# Altium PCB BSPD_mod_0513.PcbDoc (continued)
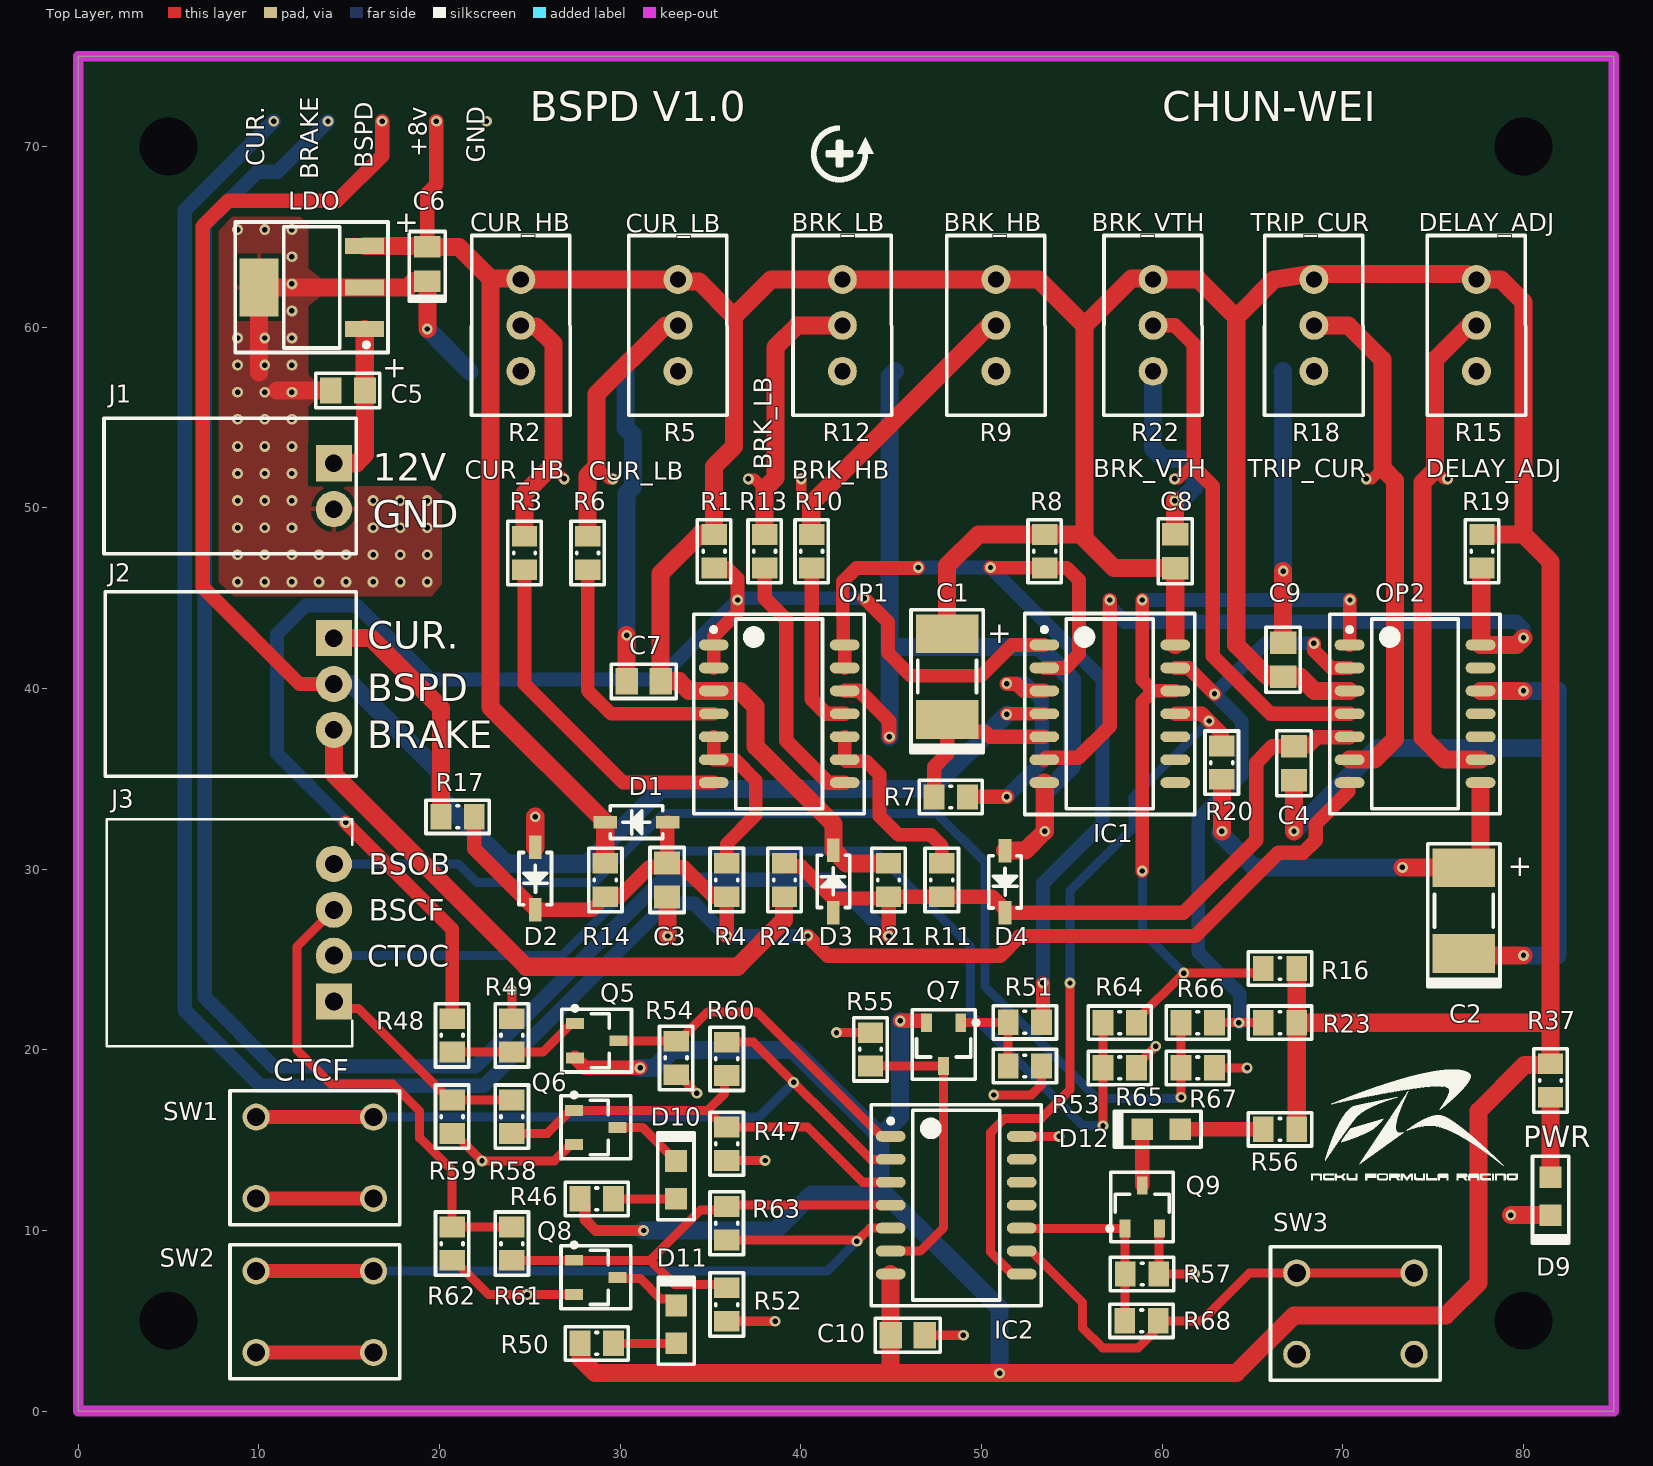
[diagram p0: Top Layer view]
## Part data (continued)
R37: library part 470-CRCW0805470RFKEAC, "Res Thick Film 0805 470 Ohm 1% 1/8W ±100ppm/°C Molded SMD Paper T/R", Case/Package=0805, Manufacturer=Vishay, Manufacturer Part Number=CRCW0805470RFKEAC, Power Rating=125mW, Supplier Part Number 1=71-CRCW0805470RFKEAC, Tolerance=1%, ComponentLink1Description=http://www.vishay.com/docs/28773/crcwce3.pdf?src-supplier=Digi-Key, ComponentLink1URL=http://www.vishay.com/docs/28773/crcwce3.pdf?src-supplier=Digi-Key, Lead Free="Lead Free", Pricing 1="1 = 0.10000, 10 = 0.05900, 100 = 0.02400, 1000 = 0.01000, 5000 = 0.00700, 10000 = 0.00600 (USD)", Resistance=470R, Stock 1=31729, Supplier 1=Mouser
R46: library part "0805 47KΩ (4702) 1%", "?片?阻", Case/Package=0805, Manufacturer=Vishay, Manufacturer Part Number=CRCW0805470RFKEAC, Power Rating=125mW, Supplier Part Number 1=71-CRCW0805470RFKEAC, Tolerance=1%, ComponentLink1Description=http://www.vishay.com/docs/28773/crcwce3.pdf?src-supplier=Digi-Key, ComponentLink1URL=http://www.vishay.com/docs/28773/crcwce3.pdf?src-supplier=Digi-Key, Lead Free="Lead Free", Pricing 1="1 = 0.10000, 10 = 0.05900, 100 = 0.02400, 1000 = 0.01000, 5000 = 0.00700, 10000 = 0.00600 (USD)", Resistance=470R, Stock 1=31729, Supplier 1=Mouser
R47: library part "0805 47KΩ (4702) 1%", "?片?阻", Case/Package=0805, Manufacturer=Vishay, Manufacturer Part Number=CRCW080510K0FKEAC, Power Rating=125mW, Resistance=10000R, Supplier Part Number 1=71-CRCW080510K0FKEAC, Tolerance=1%, ComponentLink1Description=http://www.vishay.com/docs/28773/crcwce3.pdf?src-supplier=Digi-Key, ComponentLink1URL=http://www.vishay.com/docs/28773/crcwce3.pdf?src-supplier=Digi-Key, ComponentLink2Description=http://datasheet.octopart.com/CRCW080510K0FKEAC-Vishay-datasheet-100063072.pdf?src-supplier=Future+Electronics, ComponentLink2URL=http://datasheet.octopart.com/CRCW080510K0FKEAC-Vishay-datasheet-100063072.pdf?src-supplier=Future+Electronics, Lead Free="Lead Free", Pricing 1="1 = 0.10000, 10 = 0.05900, 100 = 0.02400, 1000 = 0.01000, 5000 = 0.00700, 10000 = 0.00600, 25000 = 0.00500 (USD)", Stock 1=593292, Supplier 1=Mouser
R48: library part 39k-CRCW080539K0FKEAC, "CRCW Thick Film Commodity Chip Resistor 0805 Size 39K Ohm 1% 0.125 W 100 ppm/K 2-Pin SMD Paper T/R", Case/Package=0805, Manufacturer=Vishay, Manufacturer Part Number=CRCW0805100RFKEAC, Power Rating=125mW, Supplier Part Number 1=71-CRCW0805100RFKEAC, Tolerance=1%, ComponentLink1Description=http://www.vishay.com/docs/28773/crcwce3.pdf?src-supplier=Digi-Key, ComponentLink1URL=http://www.vishay.com/docs/28773/crcwce3.pdf?src-supplier=Digi-Key, ComponentLink2Description=http://datasheet.octopart.com/CRCW0805100RFKEAC-Vishay-datasheet-100063072.pdf?src-supplier=Future+Electronics, ComponentLink2URL=http://datasheet.octopart.com/CRCW0805100RFKEAC-Vishay-datasheet-100063072.pdf?src-supplier=Future+Electronics, Lead Free="Lead Free", Pricing 1="1 = 0.10000, 10 = 0.05900, 100 = 0.02400, 1000 = 0.01000, 5000 = 0.00700, 10000 = 0.00600, 25000 = 0.00500 (USD)", Resistance=100R, Stock 1=249348, Supplier 1=Mouser
R49: library part 39k-CRCW080539K0FKEAC, "CRCW Thick Film Commodity Chip Resistor 0805 Size 39K Ohm 1% 0.125 W 100 ppm/K 2-Pin SMD Paper T/R", Case/Package=Molded, Manufacturer=Vishay, Manufacturer Part Number=CRCW0805100KFKEAC, Max Operating Temperature=155°C, Min Operating Temperature=-55°C, Power Rating=125mW, Supplier Part Number 1=71-CRCW0805100KFKEAC, Temperature Coefficient=100ppm/°C, Tolerance=1%, ComponentLink1Description=http://www.vishay.com/docs/20035/dcrcwe3.pdf?src-supplier=Avnet+Asia, ComponentLink1URL=http://www.vishay.com/docs/20035/dcrcwe3.pdf?src-supplier=Avnet+Asia, ComponentLink2Description=http://www.vishay.com/docs/28773/crcwce3.pdf?src-supplier=Digi-Key, ComponentLink2URL=http://www.vishay.com/docs/28773/crcwce3.pdf?src-supplier=Digi-Key, ComponentLink3Description=http://datasheet.octopart.com/CRCW0805100KFKEAC-Vishay-datasheet-100063072.pdf?src-supplier=Future+Electronics, ComponentLink3URL=http://datasheet.octopart.com/CRCW0805100KFKEAC-Vishay-datasheet-100063072.pdf?src-supplier=Future+Electronics, Composition="Thick Film", Contact Plating=Tin, Lead Free="Lead Free", Length=2mm, Mount="Surface Mount", Pricing 1="1 = 0.10000, 10 = 0.05900, 100 = 0.02400, 1000 = 0.01000, 5000 = 0.00700, 10000 = 0.00600, 25000 = 0.00500 (USD)", Resistance=100kR, Stock 1=206602, Supplier 1=Mouser, Termination=Wraparound
R50: library part 39k-CRCW080539K0FKEAC, "CRCW Thick Film Commodity Chip Resistor 0805 Size 39K Ohm 1% 0.125 W 100 ppm/K 2-Pin SMD Paper T/R", Case/Package=0805, Manufacturer=Vishay, Manufacturer Part Number=CRCW0805470RFKEAC, Power Rating=125mW, Supplier Part Number 1=71-CRCW0805470RFKEAC, Tolerance=1%, ComponentLink1Description=http://www.vishay.com/docs/28773/crcwce3.pdf?src-supplier=Digi-Key, ComponentLink1URL=http://www.vishay.com/docs/28773/crcwce3.pdf?src-supplier=Digi-Key, Lead Free="Lead Free", Pricing 1="1 = 0.10000, 10 = 0.05900, 100 = 0.02400, 1000 = 0.01000, 5000 = 0.00700, 10000 = 0.00600 (USD)", Resistance=470R, Stock 1=31729, Supplier 1=Mouser
R51: library part 50K可變垂直-3296W-1-503LF, "Trimmer; Cermet; Rest 50 Kilohms; PCB; Pwr-Rtg 0.5W; Dim 0.375InLx0.19InWx0.395InH", Case/Package=0805, Manufacturer=Vishay, Manufacturer Part Number=CRCW0805100RFKEAC, Power Rating=125mW, Supplier Part Number 1=71-CRCW0805100RFKEAC, Tolerance=1%, ComponentLink1Description=http://www.vishay.com/docs/28773/crcwce3.pdf?src-supplier=Digi-Key, ComponentLink1URL=http://www.vishay.com/docs/28773/crcwce3.pdf?src-supplier=Digi-Key, ComponentLink2Description=http://datasheet.octopart.com/CRCW0805100RFKEAC-Vishay-datasheet-100063072.pdf?src-supplier=Future+Electronics, ComponentLink2URL=http://datasheet.octopart.com/CRCW0805100RFKEAC-Vishay-datasheet-100063072.pdf?src-supplier=Future+Electronics, Lead Free="Lead Free", Pricing 1="1 = 0.10000, 10 = 0.05900, 100 = 0.02400, 1000 = 0.01000, 5000 = 0.00700, 10000 = 0.00600, 25000 = 0.00500 (USD)", Resistance=100R, Stock 1=249348, Supplier 1=Mouser
R52 R57 R63: library part 100k-CRCW0805100KFKEAC, "Res Thick Film 0805 100K Ohm 1% 1/8W ±100ppm/°C Molded SMD Paper T/R", Case/Package=0805, Manufacturer=Vishay, Manufacturer Part Number=CRCW080510K0FKEAC, Power Rating=125mW, Resistance=10000R, Supplier Part Number 1=71-CRCW080510K0FKEAC, Tolerance=1%, ComponentLink1Description=http://www.vishay.com/docs/28773/crcwce3.pdf?src-supplier=Digi-Key, ComponentLink1URL=http://www.vishay.com/docs/28773/crcwce3.pdf?src-supplier=Digi-Key, ComponentLink2Description=http://datasheet.octopart.com/CRCW080510K0FKEAC-Vishay-datasheet-100063072.pdf?src-supplier=Future+Electronics, ComponentLink2URL=http://datasheet.octopart.com/CRCW080510K0FKEAC-Vishay-datasheet-100063072.pdf?src-supplier=Future+Electronics, Lead Free="Lead Free", Pricing 1="1 = 0.10000, 10 = 0.05900, 100 = 0.02400, 1000 = 0.01000, 5000 = 0.00700, 10000 = 0.00600, 25000 = 0.00500 (USD)", Stock 1=593292, Supplier 1=Mouser
R53: library part "0805 resistor 5kR", Case/Package=Molded, Manufacturer=Vishay, Manufacturer Part Number=CRCW0805100KFKEAC, Max Operating Temperature=155°C, Min Operating Temperature=-55°C, Power Rating=125mW, Supplier Part Number 1=71-CRCW0805100KFKEAC, Temperature Coefficient=100ppm/°C, Tolerance=1%, ComponentLink1Description=http://www.vishay.com/docs/20035/dcrcwe3.pdf?src-supplier=Avnet+Asia, ComponentLink1URL=http://www.vishay.com/docs/20035/dcrcwe3.pdf?src-supplier=Avnet+Asia, ComponentLink2Description=http://www.vishay.com/docs/28773/crcwce3.pdf?src-supplier=Digi-Key, ComponentLink2URL=http://www.vishay.com/docs/28773/crcwce3.pdf?src-supplier=Digi-Key, ComponentLink3Description=http://datasheet.octopart.com/CRCW0805100KFKEAC-Vishay-datasheet-100063072.pdf?src-supplier=Future+Electronics, ComponentLink3URL=http://datasheet.octopart.com/CRCW0805100KFKEAC-Vishay-datasheet-100063072.pdf?src-supplier=Future+Electronics, Composition="Thick Film", Contact Plating=Tin, Lead Free="Lead Free", Length=2mm, Mount="Surface Mount", Pricing 1="1 = 0.10000, 10 = 0.05900, 100 = 0.02400, 1000 = 0.01000, 5000 = 0.00700, 10000 = 0.00600, 25000 = 0.00500 (USD)", Resistance=100kR, Stock 1=206602, Supplier 1=Mouser, Termination=Wraparound
R54: library part "0805 resistor 5kR", Case/Package=0805, Manufacturer=Vishay, Manufacturer Part Number=CRCW080510K0FKEAC, Power Rating=125mW, Resistance=10000R, Supplier Part Number 1=71-CRCW080510K0FKEAC, Tolerance=1%, ComponentLink1Description=http://www.vishay.com/docs/28773/crcwce3.pdf?src-supplier=Digi-Key, ComponentLink1URL=http://www.vishay.com/docs/28773/crcwce3.pdf?src-supplier=Digi-Key, ComponentLink2Description=http://datasheet.octopart.com/CRCW080510K0FKEAC-Vishay-datasheet-100063072.pdf?src-supplier=Future+Electronics, ComponentLink2URL=http://datasheet.octopart.com/CRCW080510K0FKEAC-Vishay-datasheet-100063072.pdf?src-supplier=Future+Electronics, Lead Free="Lead Free", Pricing 1="1 = 0.10000, 10 = 0.05900, 100 = 0.02400, 1000 = 0.01000, 5000 = 0.00700, 10000 = 0.00600, 25000 = 0.00500 (USD)", Stock 1=593292, Supplier 1=Mouser
R55: library part 50K可變, "Trimmer; Cermet; Rest 50 Kilohms; PCB; Pwr-Rtg 0.5W; Dim 0.375InLx0.19InWx0.395InH", Case/Package=0805, Manufacturer=Vishay, Manufacturer Part Number=CRCW080510K0FKEAC, Power Rating=125mW, Resistance=10000R, Supplier Part Number 1=71-CRCW080510K0FKEAC, Tolerance=1%, ComponentLink1Description=http://www.vishay.com/docs/28773/crcwce3.pdf?src-supplier=Digi-Key, ComponentLink1URL=http://www.vishay.com/docs/28773/crcwce3.pdf?src-supplier=Digi-Key, ComponentLink2Description=http://datasheet.octopart.com/CRCW080510K0FKEAC-Vishay-datasheet-100063072.pdf?src-supplier=Future+Electronics, ComponentLink2URL=http://datasheet.octopart.com/CRCW080510K0FKEAC-Vishay-datasheet-100063072.pdf?src-supplier=Future+Electronics, Lead Free="Lead Free", Pricing 1="1 = 0.10000, 10 = 0.05900, 100 = 0.02400, 1000 = 0.01000, 5000 = 0.00700, 10000 = 0.00600, 25000 = 0.00500 (USD)", Stock 1=593292, Supplier 1=Mouser
R56: library part "0805 resistor 5kR", Case/Package=0805, Manufacturer=Vishay, Manufacturer Part Number=CRCW0805470RFKEAC, Power Rating=125mW, Supplier Part Number 1=71-CRCW0805470RFKEAC, Tolerance=1%, ComponentLink1Description=http://www.vishay.com/docs/28773/crcwce3.pdf?src-supplier=Digi-Key, ComponentLink1URL=http://www.vishay.com/docs/28773/crcwce3.pdf?src-supplier=Digi-Key, Lead Free="Lead Free", Pricing 1="1 = 0.10000, 10 = 0.05900, 100 = 0.02400, 1000 = 0.01000, 5000 = 0.00700, 10000 = 0.00600 (USD)", Resistance=470R, Stock 1=31729, Supplier 1=Mouser
R58 R64: library part 100k-CRCW0805100KFKEAC, "Res Thick Film 0805 100K Ohm 1% 1/8W ±100ppm/°C Molded SMD Paper T/R"
R59: library part RT0805FRE07432RL, "Res Thin Film 0805 432 Ohm 1% 1/8W ±50ppm/°C Molded SMD SMD Paper T/R", Case/Package=Molded, Manufacturer=Vishay, Manufacturer Part Number=CRCW0805100KFKEAC, Max Operating Temperature=155°C, Min Operating Temperature=-55°C, Power Rating=125mW, Supplier Part Number 1=71-CRCW0805100KFKEAC, Temperature Coefficient=100ppm/°C, Tolerance=1%, ComponentLink1Description=http://www.vishay.com/docs/20035/dcrcwe3.pdf?src-supplier=Avnet+Asia, ComponentLink1URL=http://www.vishay.com/docs/20035/dcrcwe3.pdf?src-supplier=Avnet+Asia, ComponentLink2Description=http://www.vishay.com/docs/28773/crcwce3.pdf?src-supplier=Digi-Key, ComponentLink2URL=http://www.vishay.com/docs/28773/crcwce3.pdf?src-supplier=Digi-Key, ComponentLink3Description=http://datasheet.octopart.com/CRCW0805100KFKEAC-Vishay-datasheet-100063072.pdf?src-supplier=Future+Electronics, ComponentLink3URL=http://datasheet.octopart.com/CRCW0805100KFKEAC-Vishay-datasheet-100063072.pdf?src-supplier=Future+Electronics, Composition="Thick Film", Contact Plating=Tin, Lead Free="Lead Free", Length=2mm, Mount="Surface Mount", Pricing 1="1 = 0.10000, 10 = 0.05900, 100 = 0.02400, 1000 = 0.01000, 5000 = 0.00700, 10000 = 0.00600, 25000 = 0.00500 (USD)", Resistance=100kR, Stock 1=206602, Supplier 1=Mouser, Termination=Wraparound
R60: library part RT0805DRE074K99L, "Res Thin Film 0805 4.99K Ohm 0.5% 1/8W ±50ppm/°C Molded SMD Paper T/R", Case/Package=0805, Manufacturer=Vishay, Manufacturer Part Number=CRCW080510K0FKEAC, Power Rating=125mW, Resistance=10000R, Supplier Part Number 1=71-CRCW080510K0FKEAC, Tolerance=1%, ComponentLink1Description=http://www.vishay.com/docs/28773/crcwce3.pdf?src-supplier=Digi-Key, ComponentLink1URL=http://www.vishay.com/docs/28773/crcwce3.pdf?src-supplier=Digi-Key, ComponentLink2Description=http://datasheet.octopart.com/CRCW080510K0FKEAC-Vishay-datasheet-100063072.pdf?src-supplier=Future+Electronics, ComponentLink2URL=http://datasheet.octopart.com/CRCW080510K0FKEAC-Vishay-datasheet-100063072.pdf?src-supplier=Future+Electronics, Lead Free="Lead Free", Pricing 1="1 = 0.10000, 10 = 0.05900, 100 = 0.02400, 1000 = 0.01000, 5000 = 0.00700, 10000 = 0.00600, 25000 = 0.00500 (USD)", Stock 1=593292, Supplier 1=Mouser
R61: library part RT0805DRE0711KL, "Res High Precision Thin Film 0805 11k Ohm 0.5% 1/8W ±50ppm/°C Molded Paper T/R"
R62: library part 50K可變垂直-3296W-1-503LF, "Trimmer; Cermet; Rest 50 Kilohms; PCB; Pwr-Rtg 0.5W; Dim 0.375InLx0.19InWx0.395InH", Case/Package=Molded, Manufacturer=Vishay, Manufacturer Part Number=CRCW0805100KFKEAC, Max Operating Temperature=155°C, Min Operating Temperature=-55°C, Power Rating=125mW, Supplier Part Number 1=71-CRCW0805100KFKEAC, Temperature Coefficient=100ppm/°C, Tolerance=1%, ComponentLink1Description=http://www.vishay.com/docs/20035/dcrcwe3.pdf?src-supplier=Avnet+Asia, ComponentLink1URL=http://www.vishay.com/docs/20035/dcrcwe3.pdf?src-supplier=Avnet+Asia, ComponentLink2Description=http://www.vishay.com/docs/28773/crcwce3.pdf?src-supplier=Digi-Key, ComponentLink2URL=http://www.vishay.com/docs/28773/crcwce3.pdf?src-supplier=Digi-Key, ComponentLink3Description=http://datasheet.octopart.com/CRCW0805100KFKEAC-Vishay-datasheet-100063072.pdf?src-supplier=Future+Electronics, ComponentLink3URL=http://datasheet.octopart.com/CRCW0805100KFKEAC-Vishay-datasheet-100063072.pdf?src-supplier=Future+Electronics, Composition="Thick Film", Contact Plating=Tin, Lead Free="Lead Free", Length=2mm, Mount="Surface Mount", Pricing 1="1 = 0.10000, 10 = 0.05900, 100 = 0.02400, 1000 = 0.01000, 5000 = 0.00700, 10000 = 0.00600, 25000 = 0.00500 (USD)", Resistance=100kR, Stock 1=206602, Supplier 1=Mouser, Termination=Wraparound
R66: library part RT0805FRE07432RL, "Res Thin Film 0805 432 Ohm 1% 1/8W ±50ppm/°C Molded SMD SMD Paper T/R"
R67: library part RT0805DRE074K99L, "Res Thin Film 0805 4.99K Ohm 0.5% 1/8W ±50ppm/°C Molded SMD Paper T/R", Case/Package=Molded, Manufacturer=Vishay, Manufacturer Part Number=CRCW0805100KFKEAC, Max Operating Temperature=155°C, Min Operating Temperature=-55°C, Power Rating=125mW, Supplier Part Number 1=71-CRCW0805100KFKEAC, Temperature Coefficient=100ppm/°C, Tolerance=1%, ComponentLink1Description=http://www.vishay.com/docs/20035/dcrcwe3.pdf?src-supplier=Avnet+Asia, ComponentLink1URL=http://www.vishay.com/docs/20035/dcrcwe3.pdf?src-supplier=Avnet+Asia, ComponentLink2Description=http://www.vishay.com/docs/28773/crcwce3.pdf?src-supplier=Digi-Key, ComponentLink2URL=http://www.vishay.com/docs/28773/crcwce3.pdf?src-supplier=Digi-Key, ComponentLink3Description=http://datasheet.octopart.com/CRCW0805100KFKEAC-Vishay-datasheet-100063072.pdf?src-supplier=Future+Electronics, ComponentLink3URL=http://datasheet.octopart.com/CRCW0805100KFKEAC-Vishay-datasheet-100063072.pdf?src-supplier=Future+Electronics, Composition="Thick Film", Contact Plating=Tin, Lead Free="Lead Free", Length=2mm, Mount="Surface Mount", Pricing 1="1 = 0.10000, 10 = 0.05900, 100 = 0.02400, 1000 = 0.01000, 5000 = 0.00700, 10000 = 0.00600, 25000 = 0.00500 (USD)", Resistance=100kR, Stock 1=206602, Supplier 1=Mouser, Termination=Wraparound
R68: library part RT0805DRE0711KL, "Res High Precision Thin Film 0805 11k Ohm 0.5% 1/8W ±50ppm/°C Molded Paper T/R", Case/Package=0805, Manufacturer=Vishay, Manufacturer Part Number=CRCW080510K0FKEAC, Power Rating=125mW, Resistance=10000R, Supplier Part Number 1=71-CRCW080510K0FKEAC, Tolerance=1%, ComponentLink1Description=http://www.vishay.com/docs/28773/crcwce3.pdf?src-supplier=Digi-Key, ComponentLink1URL=http://www.vishay.com/docs/28773/crcwce3.pdf?src-supplier=Digi-Key, ComponentLink2Description=http://datasheet.octopart.com/CRCW080510K0FKEAC-Vishay-datasheet-100063072.pdf?src-supplier=Future+Electronics, ComponentLink2URL=http://datasheet.octopart.com/CRCW080510K0FKEAC-Vishay-datasheet-100063072.pdf?src-supplier=Future+Electronics, Lead Free="Lead Free", Pricing 1="1 = 0.10000, 10 = 0.05900, 100 = 0.02400, 1000 = 0.01000, 5000 = 0.00700, 10000 = 0.00600, 25000 = 0.00500 (USD)", Stock 1=593292, Supplier 1=Mouser
SW1 SW2 SW3: "Switch Tactile N.O. SPST Round Button PC Pins 0.05A 12VDC 0.98N Thru-Hole Bulk", Contact Resistance=100mR, Manufacturer=Grayhill, Manufacturer Part Number=95C06A2T, Max Current Rating=50mA, Max Operating Temperature=70°C, Max Voltage Rating (DC)=12V, Min Operating Temperature=-25°C, Operating Force=0.98N, Supplier Part Number 1=706-95C06A2T, Actuator Length=0.79mm, Actuator Material=Nylon, Actuator Type=Standard, ComponentLink1Description=https://datasheet.ciiva.com/2901/tact-95c06-2901680.pdf?src-supplier=Digi-Key, ComponentLink1URL=https://datasheet.ciiva.com/2901/tact-95c06-2901680.pdf?src-supplier=Digi-Key, ComponentLink2Description=https://datasheet.ciiva.com/16425/tact-95c06-16425018.pdf?src-supplier=Future+Electronics, ComponentLink2URL=https://datasheet.ciiva.com/16425/tact-95c06-16425018.pdf?src-supplier=Future+Electronics, ComponentLink3Description=https://datasheet.ciiva.com/16154/66tact-95c06-16154718.pdf?src-supplier=Onlinecomponents.com, ComponentLink3URL=https://datasheet.ciiva.com/16154/66tact-95c06-16154718.pdf?src-supplier=Onlinecomponents.com, ComponentLink4Description=http://datasheet.octopart.com/95C06A2T-Grayhill-datasheet-8326586.pdf?src-supplier=Sager+Electronics, ComponentLink4URL=http://datasheet.octopart.com/95C06A2T-Grayhill-datasheet-8326586.pdf?src-supplier=Sager+Electronics, ComponentLink5Description=http://datasheet.octopart.com/95C06A2T-Grayhill-datasheet-41175902.pdf?src-supplier=Electro+Sonic, ComponentLink5URL=http://datasheet.octopart.com/95C06A2T-Grayhill-datasheet-41175902.pdf?src-supplier=Electro+Sonic, ComponentLink6Description=http://datasheet.octopart.com/95C06A2T-Grayhill-datasheet-112065354.pdf?src-supplier=Newark, ComponentLink6URL=http://datasheet.octopart.com/95C06A2T-Grayhill-datasheet-112065354.pdf?src-supplier=Newark, Contact Material=Brass, Contact Plating=Silver, Depth=6.2mm, Electrical Life=1000000Cycles, Illumination Type=Non-Illuminated, Lead Free="Lead Free", Length=6.2mm, Mechanical Life=1000000Cycles, Mount="Through Hole", Orientation=Straight, Packaging=Bulk, Pricing 1="1 = 0.29000, 10 = 0.25600, 100 = 0.22100, 1000 = 0.19200, 2000 = 0.15900, 10000 = 0.14800 (USD)", Stock 1=3565, Supplier 1=Mouser, Switch Function=Off-Mom, Switch Travel=0.25mm, Termination="PC Pins", Throw Configuration=SPST, Voltage Rating (DC)=12V

## Free pads (board coordinates)
  round 1.524 hole 3.2 unplated: 2(5,5) 2(5,70) 2(80,5) 2(80,70)

## Via types
v1: diameter 0.6, hole 0.3, Top Layer to Bottom Layer, tented both sides, 110 vias
v2: diameter 0.6, hole 0.3, Top Layer to Bottom Layer, 12 vias

## Nets (pads, with @x,y where several pads share a name; then routed paths per layer and width w, separated by ;. In a path a pad name is that pad's centre, name@x,y a point inside that pad or via, vN(x,y) a via of type N, cw(c..) or ccw(c..) an arc to the next point about the centre after c; other vN are vias at no path point)
+8: C1.1 C6.1 C7.2 C8.2 C9.2 C10.2 D1.1 D3.1 IC1.14 IC2.7 LDO.3 OP1.3 OP2.3 Q5.2 Q7.2 R1.2 R2.1 R5.1 R8.2 R9.1 R12.1 R14.2 R15.1 R16.2 R18.1 R19.2 R21.2 R22.1 R23.2 R37.2 R46.2 R50.2 R56.1 | length 417.5
  Top Layer w0.6: R46.2 28.05,11.475 28.05,10.6 28.65,10 v1(31.3,10)
  Top Layer w0.8: C6.1 19.325,67.4 19.825,67.9 v2(19.825,71.4) ; Q5.2 28.05,19 v1(31.1,19) ; v1(45.5,21.6) Q7.2@46.85,21.6
  Top Layer w1: LDO.3 19.225,64.5 C6.1@19.325,64.4 ; C6.1 21.075,64.45 22.825,62.7 ; R50.2 27.8,3.725 27.8,2.9 28.6,2.1 44.975,2.1 ; R14.2 D1.1 22.825,38.95 22.825,62.7 ; R1.2@35.175,48.525 35.162,48.538 34.408,48.538 32.24,46.37 C7.2 33.27,40.4 33.8,39.87 OP1.3 36.63,39.87 37.5,39 37.5,36.803 41.8,32.503 D3.1 42.525,30.325 R21.2 ; R1.2 35.2,52.3 36.3,53.4 36.3,60.6 ; IC2.7 C10.2 44.975,2.1 ; C1.1 48.1,46.8 49.825,48.525 R8.2 55.475,48.525 55.7,48.3 ; IC1.14 C8.2 57.34,46.66 55.7,48.3 ; R56.1 R23.2 ; R16.2 R23.2 ; OP2.3 68.43,39.87 67.64,40.66 C9.2 65.84,40.66 64.1,42.4 64.1,60.54 ; R19.2 80,48.525 ; 22.825,62.7 24.44,62.7 R2.1 R5.1 33.315,62.525 34.375,62.525 36.3,60.6 ; 36.3,60.6 38.34,62.64 R12.1 R9.1 53.16,62.64 55.7,60.1 ; 44.975,2.1 v1(51,2.1) 64.1,2.1 67.3,5.3 75.7,5.3 77.5,7.1 77.5,16.6 80.05,19.15 81.425,19.15 R37.2 81.5,21.5 ; 55.7,48.3 55.7,60.1 ; 55.7,60.1 58.3,62.7 59.44,62.7 R22.1 62,62.64 64.1,60.54 ; 64.1,60.54 66.2,62.64 68.2,62.94 76.9,62.94 R15.1 77.7,62.64 78.76,62.64 80,61.4 80,48.525 ; R23.2 81.5,21.5 ; 80,48.525 81.5,47.025 81.5,21.5
  Bottom Layer w1: v1(31.1,19) 31.9,19 32.9,20 39.6,20 44.4,15.2 ; v1(31.3,10) 38.6,10 40.6,12 44.4,12 ; v1(45.5,21.6) 45.5,16.3 44.4,15.2 ; v1(51,2.1) 51,5.64 51.03,5.67 44.7,12 44.4,12 ; 44.4,12 44.4,15.2
break: C4.2 D3.2 D4.1 OP2.5 R11.1 R21.1 R24.2 | length 138.4
  Top Layer w0.8: R24.2 39.275,30.15 40.025,30.15 41.8,28.375 44.75,28.375 R21.1 ; v1(44.862,26.3) 44.856,26.306 44.856,28.469 R21.1 ; D4.1@51.35,27.669 D4.1@51.3,27.619 ; OP2.5@70.375,37.29 68.59,37.29 68.1,36.8 C4.2 66.1,36.8 65.2,35.9 65.2,31.6 61.175,27.575 D4.1 D4.1@51.3,27.619 ; R21.1 R11.1 50.6,28.475 51.3,27.775 D4.1@51.3,27.619
  Bottom Layer w0.8: v2(13.825,71.4) 11.032,68.607 9.927,68.607 7,65.68 7,22.9 10.8,19.1 22,19.1 32.303,29.403 41.758,29.403 v1(44.862,26.3)
break_HL: OP1.11 R10.2 | length 9.4
  Top Layer w0.8: R10.2 40.6,39.4 41.4,38.6 OP1.11
break_HLb: R9.2 R10.1 | length 17.6
  Top Layer w0.6: v2(40.025,51.6) 40.025,50.8 40.575,50.25
  Top Layer w1: R10.1@40.575,48.55 40.575,50.25 50.425,60.1 R9.2
break_init: J2.3 R24.1 | length 33.5
  Top Layer w1: J2.3@14.15,37.06 14.15,35.25 24.8,24.6 36.5,24.6 39.075,27.175 39.075,28.45 R24.1
break_LL: OP1.8 R13.2 | length 14.3
  Top Layer w0.8: R13.2 38,45 39.2,43.8 39.2,37.1 41.51,34.79 OP1.8
break_LLb: R12.2 R13.1 | length 16
  Top Layer w0.6: v2(37.1,51.6) 37.443,51.6 38,51.043
  Top Layer w1: R13.1 38,51.043 38.6,51.643 38.6,58.9 39.8,60.1 R12.2
break_min: OP2.4 R22.2 | length 30.5
  Top Layer w0.6: v2(60.69,51.6) 60.9,51.6 61.75,52.45
  Top Layer w0.8: R22.2 60.7,60.1 61.75,59.05 61.75,52.45 ; 61.75,52.25 62.8,51.2 62.8,41.8 66,38.6 OP2.4
break_out1: IC1.2 OP1.13 OP1.14 R8.1 R51.1 | length 54
  Top Layer w0.762: OP1.13 OP1.14 42.344,42.491 42.344,44.015 42.319,44.04 42.319,45.919 43.075,46.675 46.475,46.675 v1(46.5,46.7) ; v1(50.5,46.7) 50.512,46.687 53.488,46.687 R8.1 54.725,46.675 55.4,46 55.4,41.9 54.64,41.14 IC1.2 ; R51.1 53.4,21.6 v1(53.4,23.7)
  Bottom Layer w0.762: v1(46.5,46.7) v1(50.5,46.7) 56.7,40.5 56.7,32.5 53.4,29.2 v1(53.4,23.7)
break_out2: IC1.13 OP2.2 R23.1 R66.1 | length 35.7
  Top Layer w0.5: R66.1 v1(64.25,21.5) R23.1
  Top Layer w0.762: IC1.13 61.46,41.14 v1(62.9,39.7) ; v1(68.4,42.5) 68.4,42.1 69.36,41.14 OP2.2
  Bottom Layer w0.762: v1@64.3,21.5 64.3,23.1 62,25.4 62,32.8 64.4,35.2 64.4,38.2 v1(62.9,39.7) 65.7,42.5 v1(68.4,42.5)
break_std: OP1.9 OP1.10 R11.2 | length 10.9
  Top Layer w0.762: OP1.10 OP1.9 42.506,35.979 43.621,35.979 44.36,35.24 44.36,32.939 45.4,31.9 47.2,31.9 47.8,31.3 R11.2
BSCF: J3.3 R61.2 R62.1 | length 27.3
  Top Layer w0.5: J3.3 12.1,25.7 12.1,20 14,18.1 17.4,18.1 18.9,16.6 18.9,15.122 20.7,13.322 R62.1 R61.2
BSOB: J3.4 R66.2 R67.2 | length 63.6
  Top Layer w0.5: v1(61.05,17.375) R67.2 R66.2
  Bottom Layer w0.5: J3.4 21.038,30.29 22.078,29.25 28.56,29.25 32.403,33.093 47.507,33.093 50.204,30.396 50.204,23.496 56.4,17.3 v1@61,17.3
BSPD: IC1.4 J2.2 | length 90.6
  Top Layer w0.762: v1@51.4,38.6 IC1.4
  Top Layer w0.8: J2.2 12.25,40.25 6.9,45.6 6.9,65.6 8.3,67 14.325,67 16.825,69.5 v2(16.825,71.4)
  Top Layer w1: J2.2 J2.2@14.277,40.25
  Bottom Layer w1: J2.2@14.28,40.253 15.121,40.253 20,35.374 20,34.002 23.702,30.3 28.125,30.3 32.26,34.435 47.265,34.435 v1(51.4,38.57)
CTCF: J3.1 R58.2 R59.1 | length 12.1
  Top Layer w0.5: J3.1 14.52,22.3 15.5,22.3 20.575,17.225 R59.1 R58.2
CTOC: J3.2 R64.2 R65.2 | length 59.1
  Top Layer w0.5: v1(56.725,15.8) R65.2 R64.2
  Bottom Layer w0.5: J3.2 26.766,25.21 32.556,31 44.1,31 49.404,25.696 49.404,21.996 55.6,15.8 v1@56.7,15.8
current: C3.2 D1.2 D2.1 OP2.7 R4.1 R14.1 R17.2 | length 150.9
  Top Layer w0.8: R17.2 21.925,31.125 D2.1 28.45,27.75 R14.1 29.975,28.475 31.615,30.115 32.375,30.115 C3.2 ; D1.2 32.613,32.587 32.613,30.352 C3.2 ; v1(35.9,26.3) R4.1 35.162,28.475 33.522,30.115 32.825,30.115 C3.2 ; v1(40.375,26.3) 41.475,25.2 51.03,25.2 52.13,26.3 61.836,26.3 66.436,30.9 67.797,30.9 68.5,31.603 68.5,32.5 70.313,34.312 OP2.7@70.313,34.727
  Bottom Layer w0.8: v2(10.825,71.4) 5.9,66.475 5.9,22.2 10.1,18 22.456,18 32.556,28.1 34.1,28.1 v1(35.9,26.3) v1(40.375,26.3)
current_HL: OP1.7 R3.2 | length 19.1
  Top Layer w0.762: R3.2 24.7,40.25 30.16,34.79 OP1.7
current_HLb: R2.2 R3.1 | length 14.6
  Top Layer w0.6: 26.3,52.2 v2(26.9,51.6)
  Top Layer w1: R2.2 24.55,60.05 25.35,60.05 26.3,59.1 26.3,52.4 ; R3.1 24.7,50.8 26.3,52.4 ; 26.3,52.2 26.3,52.4
current_init: J2.1 R17.1 | length 13.4
  Top Layer w1: J2.1@14.277,42.79 16.21,42.79 20.075,38.925 R17.1
current_LL: OP1.4 R6.2 | length 14.2
  Top Layer w0.762: R6.2 28.2,39.9 29.5,38.6 OP1.4
current_LLb: R5.2 R6.1 | length 15.4
  Top Layer w0.6: 28.687,52.288 29.375,51.6 v2(29.6,51.6)
  Top Layer w0.762: R6.1@28,48.425 R6.1@28.2,48.625
  Top Layer w1: R6.1@28.2,48.625 28.2,51.8 28.687,52.288 28.7,52.3 28.7,56.3 32.5,60.1 R5.2
current_min: OP2.6 R18.2 | length 30
  Top Layer w0.6: v2(71.3,51.6) 71.6,51.6 72.2,52.2
  Top Layer w1: R18.2 70.3,60.1 72.2,58.2 72.2,52.2 72.9,51.5 72.9,37.2 71.76,36.06 OP2.6
current_out1: IC1.1 OP1.1 OP1.2 R1.1 R48.1 | length 82.5
  Top Layer w0.762: v1(14.8,32.587) 20.7,26.687 R48.1 ; OP1.2 OP1.1 35.175,42.875 36.5,44.2 v1(36.5,44.9) 36.5,46.1 35.925,46.675 R1.1 R1.1@35.188,46.663 ; v1(43.5,45) 44.819,43.681 44.819,41.981 46.1,40.7 49.97,40.7 51.68,42.41 IC1.1
  Bottom Layer w0.762: v1@14.806,32.594 11,36.4 11,43.007 12.593,44.6 15.43,44.6 19.53,40.5 32.1,40.5 v1(36.5,44.9) 36.6,45 v1(43.5,45)
current_out2: IC1.12 OP2.1 R16.1 R64.1 | length 45.7
  Top Layer w0.5: R64.1@58.6,21.525 R64.1 58.575,21.625 v1(61.2,24.25) 65.35,24.25 R16.1
  Top Layer w0.762: v1(58.9,29.9) 58.9,39.27 59.5,39.87 ; v1(58.9,44.9) 58.9,40.47 59.5,39.87 ; IC1.12 59.5,39.87 ; OP2.1 70.387,42.422 70.387,44.887 v1(70.4,44.9)
  Bottom Layer w0.5: v1(58.9,29.9) 58.9,26.55 v1(61.2,24.25)
  Bottom Layer w0.762: v1(58.9,44.9) v1(70.4,44.9)
current_std: OP1.5 OP1.6 R4.2 | length 9.3
  Top Layer w0.762: OP1.5 OP1.6 36.359,36.06 37.5,34.919 37.5,33 35.9,31.4 R4.2
GND: C2.2 C3.1 C4.1 C5.1 C6.2 C7.1 C8.1 C9.1 C10.1 D2.2 D4.2 D9.1 IC1.7 IC2.14 J1.2 LDO.2 LDO.4 OP1.12 OP2.12 Q6.3 Q8.3 Q9.3 R2.3 R5.3 R9.3 R12.3 R15.3 R18.3 R22.3 R47.1 R49.2 R52.1 R53.2 R54.1 R55.1 R57.1 R59.2 R62.2 R65.1 R67.1 SW1.3 SW1.4 SW2.3 SW2.4 SW3.3 SW3.4 | length 220.1
  Top Layer w0.5: R62.2 20.825,8.35 22.725,6.45 v1(24.85,6.45) Q8.3 ; R59.2 20.825,15.375 v1(22.35,13.85) 26.35,13.85 27.25,14.75 Q6.3 ; R49.2 v1(24,23.3) ; R54.1 33.225,18.625 v1(34.25,17.6) ; R52.1 v1(38.575,4.975) ; R47.1 v1(38.025,13.875) ; v1(41.975,20.95) R55.1 ; C10.1 v1(49,4.2) ; v1(50.675,17.5) 52.757,17.5 53.325,18.068 R53.2 ; IC2.14 v1(54.29,15.21) ; R65.1 58.575,19.125 v1(59.65,20.2) ; Q9.3 59.831,10.081 59.831,7.609 R57.1 v1(61.79,7.59) ; R67.1 v1(64.7,19)
  Top Layer w0.762: SW2.3 SW2.4 ; SW1.3 SW1.4
  Top Layer w0.8: OP1.12 43.23,39.87 44.9,38.2 v1(44.9,37.33)
  Top Layer w1: 10,57.5 LDO.4 LDO.2 18.231,62.2 18.581,62.55 C6.2 v1(19.325,59.9) ; 11,56.5 C5.1 ; D2.2 v1(25.3,32.9) ; C7.1 v1(30.36,42.95) ; C3.1 32.625,28.435 v1(32.625,26.3) ; D4.2 52.425,31.025 v1(53.5,32.1) 53.5,34.765 IC1.7 ; v1(60.7,50.4) 60.7,48.565 C8.1 ; C9.1 66.65,42.59 66.7,42.64 v1(66.7,46.5) ; C4.1@67.2,34.82 C4.1 v1(67.3,32.1) ; C2.2 76.8,25.225 v1(80,25.225) ; OP2.12 v1(80,39.87) ; v1(79.3,10.85) D9.1
  Bottom Layer w1: v1(19.325,59.9) 21.665,57.56 ; 30.3,57.56 30.3,54.427 30.7,54.027 30.7,51.144 30.36,50.804 v1(30.36,42.95) ; v1(44.9,37.33) 44.9,42.3 ; 45.2,57.56 44.9,57.26 44.9,42.3 ; v1(53.5,32.1) 53.5,34.2 55,35.7 55,40.5 53.2,42.3 44.9,42.3 ; R22.3 59.5,53.286 60.086,52.7 61.146,52.7 61.79,52.056 61.79,51.144 61.046,50.4 v1(60.7,50.4) ; v1(66.7,46.5) 66.7,57.46 66.65,57.51 66.7,57.56 ; v1@67.45,32.25 71.9,36.7 81.87,36.7 ; v1(80,25.225) 81.845,25.225 ; v1(80,39.87) 81.87,39.87 ; 81.87,25.225 81.87,36.7 ; 81.9,39.9 81.87,39.87 ; 81.87,36.7 81.87,39.87
  other v1: 8.825,45.9 10.325,45.9 11.825,45.9 13.325,45.9 14.825,45.9 16.325,45.9 17.825,45.9 19.325,45.9 8.825,47.4 10.325,47.4 11.825,47.4 13.325,47.4 14.825,47.4 16.325,47.4 17.825,47.4 19.325,47.4 8.825,48.9 10.325,48.9 11.825,48.9 16.325,48.9 17.825,48.9 19.325,48.9 8.825,50.4 10.325,50.4 11.825,50.4 16.325,50.4 17.825,50.4 19.325,50.4 8.825,51.9 10.325,51.9 11.825,51.9 8.825,53.4 10.325,53.4 11.825,53.4 8.825,54.9 10.325,54.9 11.825,54.9 8.825,56.4 10.325,56.4 11.825,56.4 8.825,57.9 10.325,57.9 11.825,57.9 8.825,59.4 10.325,59.4 11.825,59.4 11.825,60.9 11.825,62.4 11.825,63.9 8.825,65.4 10.325,65.4 11.825,65.4
  other v2: 22.6,71.4
NetD9_2: D9.2 R37.1 | length 4.4
  Top Layer w1: D9.2 R37.1
NetD10_1: D10.1 Q6.2 | length 4
  Top Layer w0.5: Q6.2 31.238,15.7 D10.1
NetD10_2: D10.2 R46.1 | length 3.5
  Top Layer w0.5: R46.1 D10.2
NetD11_1: D11.1 Q8.2 | length 3.9
  Top Layer w0.5: Q8.2 29.9,7.35 31.1,7.35 32.25,6.2 32.75,6.2 D11.1
NetD11_2: D11.2 R50.1 | length 3.5
  Top Layer w0.5: R50.1 D11.2
NetD12_1: D12.1 Q9.2 | length 3.1
  Top Layer w0.8: Q9.2 D12.1
NetD12_2: D12.2 R56.2 | length 4.6
  Top Layer w0.8: D12.2 R56.2
NetIC1_11: IC1.11 IC2.8 R20.1 | length 41.5
  Top Layer w0.5: IC2.8 51.71,7.59 50.5,8.8 50.5,15.424 51.286,16.21 53.31,16.21 54.9,17.8 v1(54.9,23.7)
  Top Layer w0.8: IC1.11 62.2,38.6 v1(62.6,38.2) 63.3,37.5 R20.1
  Bottom Layer w0.5: v1(54.9,23.7) 54.9,28.8 58.4,32.3 58.4,34 v1(62.6,38.2)
NetIC2_1: IC2.1 Q5.3 R54.2 | length 18.6
  Top Layer w0.5: Q5.3 29.913,20.488 33.088,20.488 R54.2 33.225,20.475 34.85,22.1 37.56,22.1 44.45,15.21 IC2.1
NetIC2_2: IC2.2 R60.1 SW1.1 SW1.2 | length 42.3
  Top Layer w0.5: R60.1 37.375,20.425 43.86,13.94 IC2.2
  Top Layer w0.762: SW1.1 SW1.2
  Bottom Layer w0.5: SW1.2 37.675,16.275 v1(39.6,18.2)
NetIC2_3: IC2.3 Q6.1 R47.2 R58.1 R60.2 | length 26
  Top Layer w0.5: R58.1@24.275,15.1 R58.1 25.975,15.375 27.25,16.65 Q6.1 34.85,16.65 ; R60.2 35.775,18.575 35.775,17.575 34.85,16.65 ; IC2.3 43.43,12.67 40.375,15.725 R47.2 35.775,15.725 34.85,16.65
NetIC2_4: IC2.4 Q8.1 R52.2 R61.1 R63.2 | length 27.1
  Top Layer w0.5: R61.1 Q8.1 31.665,8.35 ; R52.2 35.725,7 33.015,7 31.665,8.35 ; IC2.4 35.975,11.4 R63.2 35.71,11.135 34.45,11.135 31.665,8.35
NetIC2_5: IC2.5 R63.1 SW2.1 SW2.2 | length 43.3
  Top Layer w0.5: R63.1 43.175,9.475 43.83,10.13 IC2.5
  Top Layer w0.762: SW2.1 SW2.2
  Bottom Layer w0.5: SW2.2 41.45,7.75 v1(43.1,9.4)
NetIC2_6: IC2.6 Q7.3 R55.2 | length 16.4
  Top Layer w0.5: R55.2 Q7.3 47.9,10.16 46.6,8.86 IC2.6
NetIC2_9: IC2.9 R68.1 SW3.1 SW3.2 | length 26.7
  Top Layer w0.5: IC2.9 52.75,8.86 55.6,6.01 55.6,4.6 56.7,3.5 58.675,3.5 59.785,4.61 R68.1 62.186,5 64.836,7.65 SW3.1 SW3.2
NetIC2_10: IC2.10 Q9.1 R57.2 R68.2 | length 10.9
  Top Layer w0.5: IC2.10 52.24,10.115 57.935,10.115 Q9.1 57.956,10.094 57.956,7.596 R57.2 57.949,7.576 57.949,5.014 R68.2
NetQ5_1: Q5.1 R48.2 R49.1 | length 7.5
  Top Layer w0.5: R48.2 R49.1 25.725,19.875 27.3,21.45 Q5.1 Q5.1@27.488,21.463
NetQ7_1: Q7.1 R51.2 R53.1 | length 5.1
  Top Layer w0.5: Q7.1 48.863,21.513 51.463,21.513 R51.2 R53.1
sensor_falt_out: C1.2 IC1.5 R7.2 | length 11.3
  Top Layer w0.8: R7.2 47.375,35.675 48.1,36.4 C1.2 48.425,38.285 49.1,37.61 50.19,37.61 50.47,37.33 IC1.5 ; C1.2@48.5,38.325 C1.2@49.175,37.65
sensor_falt_out_b: IC1.3 R7.1 | length 12.9
  Top Layer w0.8: R7.1 v1(51.4,34) ; v1(51.4,40.27) 51.93,40.27 52.33,39.87 IC1.3
  Bottom Layer w0.8: v1(51.4,34) 53.33,35.93 53.33,39.37 52.43,40.27 v1(51.4,40.27)
sensor_simu_2: C2.1 OP2.8 R20.2 | length 22.4
  Top Layer w1: R20.2 63.31,34.965 v1(63.31,32.1) ; v1(73.3,30.1) 76.675,30.1 C2.1 77.05,30.075 77.625,30.65 OP2.8@77.625,34.59
  Bottom Layer w1: v1(63.31,32.1) 63.3,32.1 63.2,32 65.1,30.1 v1(73.3,30.1)
sensor_simu_out: IC1.6 OP2.14 R19.1 | length 42.5
  Top Layer w0.8: IC1.6 53.575,36.16 55.36,36.16 57.1,37.9 v1(57.1,44.9)
  Top Layer w1: R19.1 77.662,46.637 77.662,42.447 OP2.14 77.635,42.4 79.6,42.4 v1(80,42.8)
  Bottom Layer w0.8: v1(57.1,44.9) 57.1,44.521 57.921,43.7 79.6,43.7 80,43.3 v1(80,42.8)
time_std: OP2.9 R15.2 | length 28.9
  Top Layer w0.6: 75.1,52.1 75.6,51.6 v2(75.8,51.6)
  Top Layer w1: R15.2 77,60.1 75.1,58.2 75.1,52.1 74.4,51.4 74.4,37.3 75.64,36.06 OP2.9
Vcc: C5.2 J1.1 LDO.1 | length 8.9
  Top Layer w1: J1.1 15.395,52.47 15.875,52.95 C5.2 15.863,56.512 15.863,59.887 LDO.1
pads on no net: IC1.8 IC1.9 IC1.10 IC2.11 IC2.12 IC2.13 OP2.10 OP2.11 OP2.13

## Polygon pours and split planes (outlines as drawn)
GND on Top Layer "Top Layer-GND" (solid, pour order 26): 8.525,66.1 7.775,65.35 7.775,45.87 8.6,45.1 19.559,45.1 20.125,45.764 20.125,50.7 19.526,51.2 12.7,51.2 12.702,51.6 12.725,55.6 13.125,56 13.125,57 12.725,57.4 12.725,61.175 13.425,61.7 13.425,62.7 12.725,63.26 12.725,65.7 12.3,66.1
no net on Top Layer "Top Layer-No Net 1" (solid, pour order 14): 8.925,62.2 11.125,62.2
no net on Top Layer "Top Layer-No Net" (solid, pour order 18): 7.6,56.9
no net on Top Layer "Top Layer-No Net 2" (solid, pour order 10): 7.6,55.3
no net on Top Layer "Top Layer-No Net 3" (solid, pour order 8): 9.1,53.2
GND on Bottom Layer "Bottom Layer-GND" (solid, pour order 34): 0,75 85,75 85,0 0,0
GND on Bottom Layer "Bottom Layer-GND 1" (solid, pour order 32): 0,70
no net on Bottom Layer "Bottom Layer-No Net" (solid, remove dead copper, pour order 30): 8,63.9

## Keep-outs
Keep-Out Layer:
  the board outline again, w0.6

## Silkscreen, mask and mechanical layers (free items; w line width, h text height)
Top Overlay:
  drawing of 29 lines, arcs and shapes, not listed
  text "BSPD V1.0" at 25,71.4 h1.65
  text "CHUN-WEI" at 60,71.4 h1.65
  text "+8v" at 19.3,69.4 h1 r90
  text "GND" at 22.5,69.112 h1 r90
  text "CUR." at 10.3,68.9 h1 r90
  text "BSPD" at 16.3,68.8 h1 r90
  text "BRAKE" at 13.3,68.2 h1 r90
  text "CUR_HB" at 21.7,65.3 h1
  text "BRK_LB" at 39.5,65.3 h1
  text "BRK_HB" at 47.9,65.3 h1
  text "BRK_VTH" at 56.1,65.3 h1
  text "TRIP_CUR" at 64.9,65.3 h1
  text "DELAY_ADJ" at 74.2,65.3 h1
  text "+" at 17.5,65.25 h1.2
  text "CUR_LB" at 30.3,65.247 h1
  text "+" at 16.825,57.2 h1.2
  text "BRK_LB" at 38.4,52.1 h1 r90
  text "BRK_VTH" at 56.2,51.7 h1
  text "TRIP_CUR" at 64.732,51.7 h1
  text "DELAY_ADJ" at 74.6,51.7 h1
  text "CUR_HB" at 21.4,51.6 h1
  text "BRK_HB" at 39.5,51.6 h1
  text "CUR_LB" at 28.25,51.547 h1
  text "12V" at 16.3,51.5 h1.52
  text "GND" at 16.3,48.9 h1.52
  text "+" at 50.325,42.5 h1.2
  text "CUR." at 16,42.2 h1.52
  text "BSPD" at 16,39.3 h1.52
  text "BRAKE" at 16,36.7 h1.52
  text "BSOB" at 16.075,29.69 h1.2
  text "+" at 79.14,29.6 h1.2
  text "BSCF" at 16.075,27.15 h1.2
  text "CTOC" at 16,24.61 h1.2
  text "CTCF" at 10.8,18.3 h1.2
  text "PWR" at 80,14.6 h1.2
Bottom Overlay:
  drawing of 27 lines, arcs and shapes, not listed
Mechanical 1:
  the board outline again, w0.508

## Text inside footprints (layer, text, board x,y; h text height)
SW1: Mechanical 29 "'designator" at 8.5,18.025 h0.8
SW2: Mechanical 29 "'designator" at 8.5,9.5 h0.8
SW3: Mechanical 29 "'designator" at 66.1,9.4 h0.8